# Altium PCB PCB1.PcbDoc (continued)
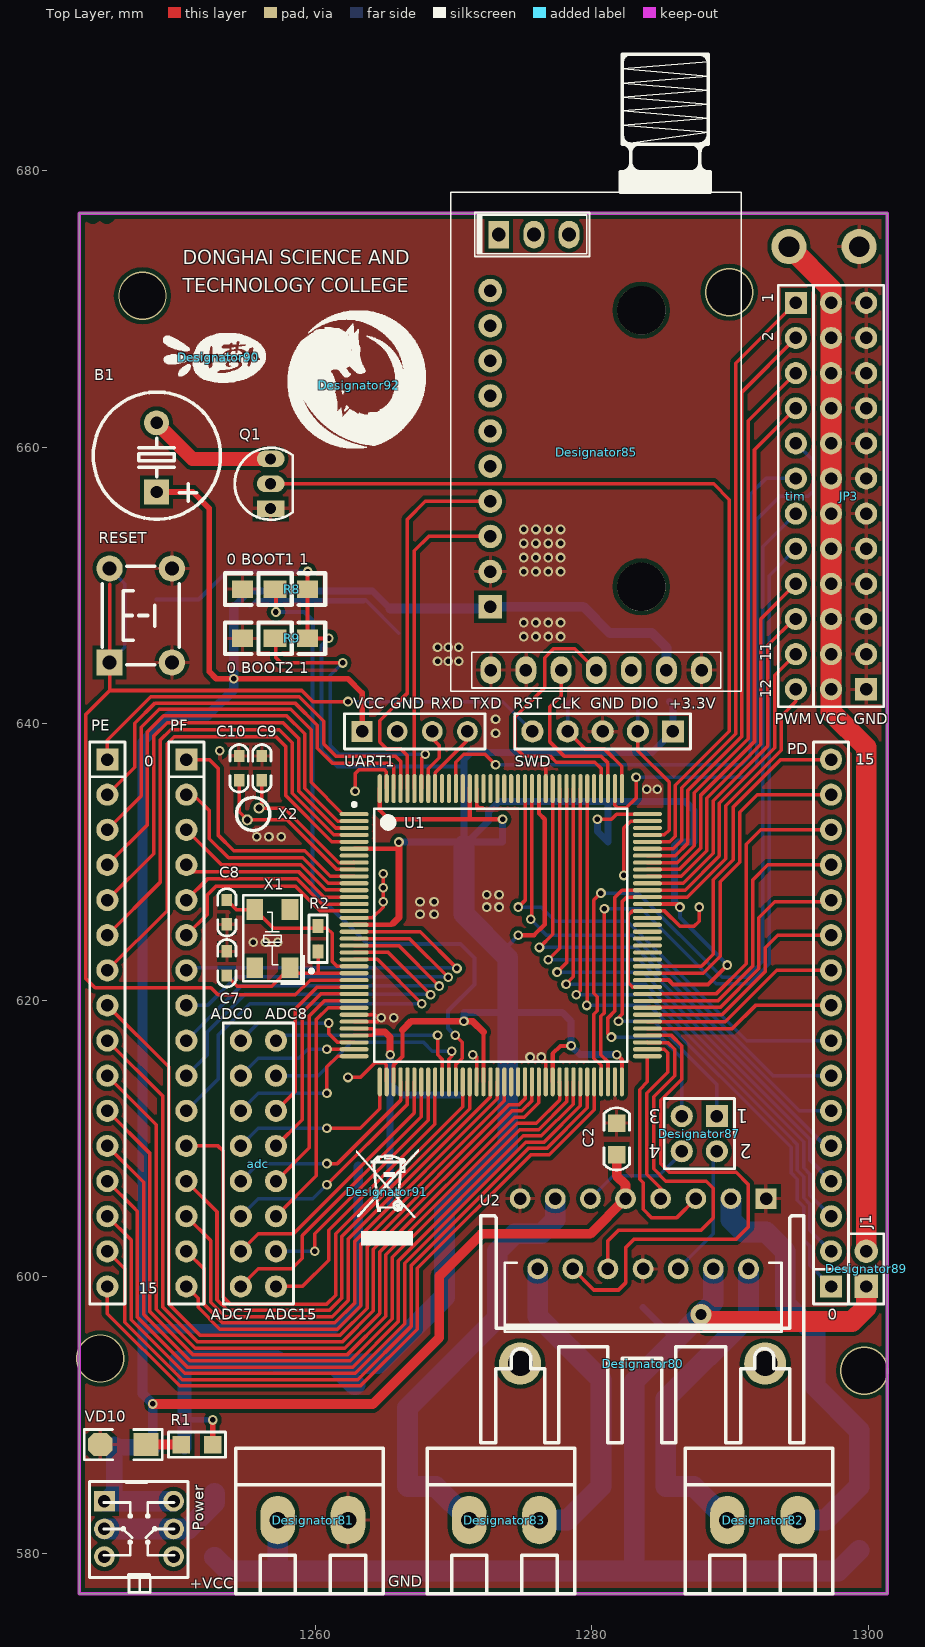
[diagram p0: Top Layer view]
## Nets (pads, with @x,y where several pads share a name; then routed paths per layer and width w, separated by ;. In a path a pad name is that pad's centre, name@x,y a point inside that pad or via, vN(x,y) a via of type N, cw(c..) or ccw(c..) an arc to the next point about the centre after c; other vN are vias at no path point) (continued)
  Bottom Layer w0.254: 1255.268,648.462 1255.627,648.821 ; 1263.501,648.821 1255.627,648.821 ; 1266.063,646.557 1263.65,648.97 1255.776,648.97 1255.627,648.821
  other v1: 1275.542,615.904 1276.35,615.904 1264.793,618.744 1265.682,618.744 1255.522,624.205 1256.411,624.205 1257.3,624.205 1267.587,626.237 1268.603,626.237 1272.413,626.745 1273.302,626.745 1267.587,627.126 1268.603,627.126 1272.413,627.634 1273.302,627.634 1255.776,631.825 1256.665,631.825 1257.554,631.825 1283.97,635.254 1284.732,635.254 1253.109,638.048 1273.048,639.318 1273.048,640.334 1268.857,644.525 1269.619,644.525 1270.381,644.525 1268.857,645.541 1269.619,645.541 1270.381,645.541 1275.08,646.303 1275.969,646.303 1276.858,646.303 1277.747,646.303 1275.08,647.319 1275.969,647.319 1276.858,647.319 1277.747,647.319 1275.08,651.002 1275.969,651.002 1276.858,651.002 1277.747,651.002 1275.08,652.018 1275.969,652.018 1276.858,652.018 1277.747,652.018 1275.08,653.034 1275.969,653.034 1276.858,653.034 1277.747,653.034 1275.08,654.05 1275.969,654.05 1276.858,654.05 1277.747,654.05
I2C1_SCL: MPU1.3 U1.139 | length 23.1
  Top Layer w0.254: U1.139 1267.179,652.499 1268.222,653.542 1270.381,653.542 MPU1.3
I2C1_SDA: MPU1.4 U1.140 | length 28.3
  Top Layer w0.254: U1.140 1266.679,637.686 1266.19,638.175 1265.174,638.175 1264.666,638.683 1264.666,640.207 1266.679,642.22 1266.679,654.793 1267.968,656.082 MPU1.4
NetB1_2: B1.2 Q1.3 | length 9.3
  Top Layer w1: B1.2 1251.142,659.152 Q1.3
Netboot_3: 
Netboot_4: 
NetC7_1: C7.1 R2.1 U1.24 X1.1 | length 12.2
  Top Layer w0.254: C7.1 1254.379,621.03 1256.868,621.03 X1.1 1258.577,621.963 1260.221,621.963 ; R2.1@1260.221,623.913 1260.221,621.963 ; U1.24 1260.221,621.963
NetC8_1: C8.1 R2.2 U1.23 X1.3 | length 12.4
  Top Layer w0.254: C8.1 1254.303,626.567 X1.3 1256.995,625.221 1260.856,625.221 1261.237,624.84 1261.237,622.808 1261.582,622.463 U1.23 U1.23@1262.806,622.486
NetC9_2: C9.2 U1.8 X2.1 | length 10.7
  Top Layer w0.254: C9.2 1256.157,634.111 X2.1 1257.765,633.9 1261.702,629.963 U1.8 ; U1.8@1262.806,629.963 U1.8 ; U1.8@1262.806,629.986 U1.8
NetC10_2: C10.2 U1.9 X2.2 | length 12.4
  Top Layer w0.254: C10.2 1254.506,633.643 X2.2 1257.971,633.052 1261.56,629.463 U1.9 ; U1.9@1262.806,629.463 U1.9 ; U1.9@1262.806,629.486 U1.9
NetJP4_2: U1.73 U2.5 | length 16.1
  Top Layer w0.254: U1.73 1284.029,614.104 1283.462,613.537 1283.462,607.06 1283.716,606.806 1283.716,604.901 1284.351,604.266 1286.129,604.266 U2.5
NetJP4_4: U1.74 U2.7 | length 13.2
  Top Layer w0.254: U1.74 1284.034,616.458 1285.24,616.458 1285.494,616.204 1285.494,614.807 1283.97,613.283 1283.97,607.441 1284.986,606.425 U2.7
NetJP4_6: U1.75 U2.10 | length 28.8
  Top Layer w0.254: U2.10 1281.176,602.615 1281.938,603.377 1287.907,603.377 1288.796,604.266 1288.796,606.425 1288.288,606.933 1285.367,606.933 1284.478,607.822 1284.478,613.029 1286.002,614.553 1286.002,616.458 1285.52,616.94 1284.052,616.94 U1.75
NetJP4_8: U1.76 U2.12 | length 38.7
  Top Layer w0.254: U2.12 1280.16,599.059 1281.938,599.059 1282.446,599.567 1282.446,602.107 1283.081,602.742 1290.447,602.742 1291.336,603.631 1291.336,606.679 1290.447,607.568 1285.621,607.568 1284.986,608.203 1284.986,612.775 1286.51,614.299 1286.51,616.726 1285.773,617.463 U1.76
NetLED1_1: R1.2 VD10.1 | length 2.5
  Top Layer w0.7: VD10.1 R1.2
Netmotor1_1: Designator82.1 U2.2 VD1.1 VD5.2 | length 23.7
  Bottom Layer w1.5: Designator82.1 1287.385,584.849 VD1.1 1285.353,584.863 VD5.2 1285.353,591.171 1291.336,597.154 U2.2
Netmotor1_2: Designator82.2 U2.3 VD2.1 VD6.2 | length 31.1
  Bottom Layer w1.5: U2.3 1290.066,604.139 1290.955,603.25 1292.606,603.25 1294.003,601.853 1294.003,598.043 1296.162,595.884 1296.162,592.074 1299.337,588.899 VD2.1 1296.91,582.422 Designator82.2
Netmotor2_1: Designator83.1 U2.13 VD3.1 VD7.2 | length 31.8
  Bottom Layer w1.5: Designator83.1 1268.716,584.849 VD3.1 1266.684,584.863 VD7.2 1266.684,590.536 1273.175,597.027 1273.175,601.853 1274.445,603.123 1276.35,603.123 1277.366,604.139 U2.13
Netmotor2_2: Designator83.2 U2.14 VD4.1 VD8.2 | length 23.1
  Bottom Layer w1.5: U2.14 1276.096,597.154 1280.668,592.582 VD4.1 1278.241,582.422 Designator83.2
PB12: 
PB13: 
PB14: 
PB15: 
PD0: PD.1 U1.114 | length 46
  Top Layer w0.254: v1(1279.652,619.633) 1279.679,619.66 U1.114
  Bottom Layer w0.254: v1(1279.652,619.633) 1284.175,619.633 1294.419,609.389 1294.419,607.519 1294.873,607.065 1294.873,605.541 1295.323,605.09 1295.323,602.692 1295.781,602.234 1295.781,600.837 PD.1
PD1: PD.2 U1.115 | length 44.2
  Top Layer w0.254: v1(1278.89,620.395) 1279.179,620.684 U1.115
  Bottom Layer w0.254: v1(1278.89,620.395) 1284.055,620.395 1294.238,610.212 1294.873,609.577 1294.873,607.707 1295.327,607.253 1295.327,605.729 1295.777,605.278 1295.777,603.381 PD.2
PD2: PD.3 U1.116 | length 42.5
  Top Layer w0.254: v1(1278.147,621.176) 1278.679,621.708 U1.116
  Bottom Layer w0.254: v1(1278.147,621.176) 1283.916,621.176 1295.327,609.765 1295.327,607.895 1295.781,607.441 1295.781,605.917 PD.3
PD3: PD.4 U1.117 | length 40.5
  Top Layer w0.254: v1(1277.493,622.046) 1278.179,622.732 U1.117
  Bottom Layer w0.254: v1(1277.493,622.046) 1283.688,622.046 1295.781,609.953 1295.781,608.457 PD.4
PD4: PD.5 U1.118 | length 38.4
  Top Layer w0.254: v1(1276.858,622.935) 1277.679,623.756 U1.118
  Bottom Layer w0.254: v1(1276.858,622.935) 1283.441,622.935 1296.903,609.473 PD.5@1296.924,609.473
PD5: PD.6 U1.119 | length 37.5
  Top Layer w0.254: v1(1276.223,623.824) 1277.179,624.78 U1.119
  Bottom Layer w0.254: v1(1276.223,623.824) 1283.194,623.824 1295.005,612.013 PD.6@1296.924,612.013
PD6: PD.7 U1.122 | length 35.5
  Top Layer w0.254: v1(1275.588,625.856) 1275.679,625.947 U1.122
  Bottom Layer w0.254: v1(1275.588,625.856) 1276.72,624.724 1282.936,624.724 1293.107,614.553 PD.7@1296.924,614.553
PD7: PD.8 U1.123 | length 35
  Top Layer w0.254: v1(1274.699,626.745) 1275.179,627.225 U1.123
  Bottom Layer w0.254: v1(1274.699,626.745) 1276.35,626.745 1277.366,625.729 1282.573,625.729 1291.209,617.093 PD.8@1296.924,617.093
PD8: PD.9 U1.77 | length 13.6
  Top Layer w0.254: U1.77 1290.174,617.963 1291.844,619.633 PD.9@1296.924,619.633
PD9: PD.10 U1.78 | length 14.4
  Top Layer w0.254: U1.78 1289.658,618.463 1293.368,622.173 PD.10@1296.924,622.173
PD10: PD.11 U1.79 | length 16.3
  Top Layer w0.254: U1.79 1289.417,618.963 1292.539,622.085 1292.539,623.792 1293.46,624.713 PD.11@1296.924,624.713
PD11: PD.12 U1.80 | length 18.3
  Top Layer w0.254: U1.80 1284.052,619.486 1289.298,619.486 1292.085,622.273 1292.085,625.97 1293.241,627.126 1296.797,627.126 PD.12@1296.924,627.253
PD12: PD.13 U1.81 | length 20.6
  Top Layer w0.254: U1.81@1284.052,619.986 U1.81 1289.133,619.963 1291.631,622.461 1291.631,628.691 1292.733,629.793 PD.13@1296.924,629.793
PD13: PD.14 U1.82 | length 22.9
  Top Layer w0.254: U1.82 1288.991,620.463 1291.177,622.649 1291.177,631.285 1292.225,632.333 PD.14@1296.924,632.333
PD14: PD.15 U1.85 | length 23.6
  Top Layer w0.254: U1.85@1284.052,621.986 U1.85 1288.078,621.963 1289.304,623.189 1289.304,628.587 1290.701,629.984 1290.701,633.603 1291.971,634.873 PD.15@1296.924,634.873
PD15: PD.16 U1.86 | length 24.5
  Top Layer w0.254: U1.86 1287.936,622.463 1288.796,623.323 1288.796,628.721 1290.247,630.172 1290.247,633.982 1293.678,637.413 PD.16@1296.924,637.413
PE0: PE.1 U1.141 | length 28.8
  Top Layer w0.254: PE.1 1244.981,638.81 1248.121,641.95 1258.859,641.95 1260.621,640.188 1260.621,638.537 1261.491,637.667 1265.809,637.667 1266.179,637.297 U1.141
PE1: PE.2 U1.142 | length 29.8
  Top Layer w0.254: PE.2 1246.975,636.867 1246.975,640.042 1248.429,641.496 1258.551,641.496 1260.167,639.88 1260.167,638.229 1261.237,637.159 1265.428,637.159 1265.682,636.905 1265.682,635.316 U1.142
PE2: PE.3 U1.1 | length 29.7
  Top Layer w0.254: PE.3 1247.429,634.781 1247.429,639.734 1248.737,641.042 1258.243,641.042 1259.713,639.572 1259.713,635.762 1262.012,633.463 U1.1
PE3: PE.4 U1.2 | length 32.1
  Top Layer w0.254: PE.4 1247.883,632.695 1247.883,639.426 1249.045,640.588 1251.585,640.588 ; 1251.987,640.588 1251.585,640.588 ; U1.2 1261.644,632.963 1259.259,635.348 1259.259,639.264 1257.935,640.588 1251.585,640.588
PE4: PE.5 U1.3 | length 33.5
  Top Layer w0.254: PE.5 1248.337,630.609 1248.337,639.118 1249.299,640.08 1257.681,640.08 1258.805,638.956 1258.805,635.16 1261.502,632.463 U1.3
PE5: PE.6 U1.4 | length 35.3
  Top Layer w0.254: PE.6 1248.791,628.523 1248.791,638.81 1249.553,639.572 1257.406,639.572 1258.351,638.627 1258.351,634.972 1261.36,631.963 U1.4
PE6: PE.7 U1.5 | length 37.1
  Top Layer w0.254: PE.7 1249.299,626.491 1249.299,638.556 1249.807,639.064 1257.173,639.064 1257.897,638.34 1257.897,634.784 1261.218,631.463 U1.5
PE7: PE.8 U1.58 | length 61.1
  Top Layer w0.254: PE.8 1249.426,615.188 1249.426,598.043 1251.696,595.773 1261.796,595.773 1263.761,597.738 1263.761,602.183 1274.048,612.47 1274.761,612.47 1275.179,612.888 U1.58 U1.58@1275.156,614.09
PE8: PE.9 U1.59 | length 59.9
  Top Layer w0.254: PE.9 1248.972,613.102 1248.972,597.855 1251.524,595.303 1261.968,595.303 1264.215,597.55 1264.215,601.995 1274.236,612.016 1274.949,612.016 1275.656,612.723 1275.656,614.09 U1.59
PE9: PE.10 U1.60 | length 62.1
  Top Layer w0.254: PE.10 1248.518,611.016 1248.518,597.667 1251.336,594.849 ; 1248.918,597.267 1251.336,594.849 ; U1.60 1276.179,612.604 1275.137,611.562 1274.424,611.562 1264.669,601.807 1264.669,597.362 1262.156,594.849 1251.336,594.849
PE10: PE.11 U1.63 | length 58.3
  Top Layer w0.254: PE.11 1248.064,608.93 1248.064,597.479 1251.148,594.395 1262.344,594.395 1265.123,597.174 1265.123,601.619 1274.612,611.108 1275.988,611.108 1277.679,612.799 U1.63 U1.63@1277.656,614.09
PE11: PE.12 U1.64 | length 57
  Top Layer w0.254: PE.12 1247.61,606.844 1247.61,597.291 1250.96,593.941 1262.532,593.941 1265.577,596.986 1265.577,601.431 1274.8,610.654 1276.176,610.654 1278.179,612.657 U1.64
PE12: PE.13 U1.65 | length 58.1
  Top Layer w0.254: PE.13 1246.89,605.024 ; 1245.743,606.171 1246.89,605.024 ; 1248.918,595.341 1249.392,594.866 ; U1.65 1278.656,614.09 1278.656,612.492 1276.364,610.2 1275.048,610.2 1266.031,601.183 1266.031,596.797 1262.721,593.487 1250.772,593.487 1249.392,594.866 ; 1246.89,605.024 1247.156,604.758 1247.156,597.103 1249.392,594.866
PE13: PE.14 U1.66 | length 56.9
  Top Layer w0.254: PE.14@1244.346,604.393 PE.14 1246.702,602.672 1246.702,596.915 1250.099,593.518 ; 1248.918,594.699 1250.099,593.518 ; U1.66 1279.179,612.373 1276.552,609.746 1275.236,609.746 1266.485,600.995 1266.485,596.609 1262.909,593.033 1250.584,593.033 1250.099,593.518
PE14: PE.15 U1.67 | length 54
  Top Layer w0.254: PE.15@1244.346,601.853 PE.15 1246.248,600.586 1246.248,596.727 1250.396,592.579 1263.097,592.579 1266.939,596.421 1266.939,600.807 1275.424,609.292 1276.74,609.292 1279.679,612.231 U1.67
PE15: PE.16 U1.68 | length 52.5
  Top Layer w0.254: PE.16@1244.346,599.313 1244.981,598.678 1244.981,597.352 1250.208,592.125 1263.285,592.125 1267.393,596.233 1267.393,600.619 1275.612,608.838 1276.929,608.838 1280.179,612.088 U1.68
PF0: PF.1 U1.10 | length 18.8
  Top Layer w0.254: PF.1 1252.347,637.413 1252.982,636.778 1252.982,631.952 1254.125,630.809 1257.681,630.809 ; 1257.3,630.809 1257.681,630.809 ; U1.10 1261.086,628.963 1259.24,630.809 1257.681,630.809
PF1: PF.2 U1.11 | length 16.5
  Top Layer w0.254: PF.2 1251.204,634.873 1252.347,633.73 1252.347,631.698 1253.744,630.301 1255.776,630.301 ; 1255.268,630.301 1255.776,630.301 ; U1.11 1260.944,628.463 1259.106,630.301 1255.776,630.301
PF2: PF.3 U1.12 | length 13.9
  Top Layer w0.254: PF.3 1253.236,629.793 1258.972,629.793 1260.779,627.986 1262.806,627.986 U1.12
PF3: PF.4 U1.13 | length 13.1
  Top Layer w0.254: PF.4 1251.204,629.285 1258.838,629.285 1260.66,627.463 U1.13
PF4: PF.5 U1.14 | length 13.5
  Top Layer w0.254: PF.5 1252.22,628.777 1258.704,628.777 1260.518,626.963 U1.14
PF5: PF.6 U1.15 | length 15.2
  Top Layer w0.254: PF.6 1252.22,626.237 1252.22,627.634 1252.836,628.25 1258.589,628.25 1260.376,626.463 U1.15
PF6: PF.7 U1.18 | length 28.2
  Top Layer w0.254: U1.18 1267.602,624.963 v1(1270.26,622.306)
  Bottom Layer w0.254: PF.7 1250.869,622.346 1270.219,622.346 v1(1270.26,622.306)
PF7: PF.8 U1.19 | length 27.8
  Top Layer w0.254: U1.19 1266.829,624.463 v1(1269.623,621.669)
  Bottom Layer w0.254: PF.8 1252.22,619.633 1254.297,621.71 1269.583,621.71 v1(1269.623,621.669)
PF8: PF.9 U1.20 | length 27.3
  Top Layer w0.254: U1.20 1266.057,623.963 v1(1268.987,621.033)
  Bottom Layer w0.254: PF.9 1254.676,621.073 1255.014,621.073 1268.946,621.073 v1(1268.987,621.033)
PF9: PF.10 U1.21 | length 27.9
  Top Layer w0.254: U1.21 1265.284,623.463 v1(1268.35,620.396)
  Bottom Layer w0.254: PF.10 1252.22,616.077 1252.22,617.728 1254.929,620.437 1268.31,620.437 v1(1268.35,620.396)
PF10: PF.11 U1.22 | length 28.3
  Top Layer w0.254: U1.22 1264.511,622.963 v1(1267.714,619.76)
  Bottom Layer w0.254: PF.11 1252.982,614.299 1252.982,617.474 1255.268,619.76 v1(1267.714,619.76)
PF11: PF.12 U1.49 | length 41.2
  Top Layer w0.254: PF.12 1252.982,609.473 1253.363,609.092 1253.363,598.551 1253.871,598.043 1260.856,598.043 1261.491,598.678 1261.491,603.123 1270.679,612.311 U1.49
PF12: PF.13 U1.50 | length 38.7
  Top Layer w0.254: PF.13 1252.909,604.72 1252.909,598.363 1253.683,597.589 1261.044,597.589 1261.945,598.49 1261.945,602.935 1271.179,612.169 U1.50
PF13: PF.14 U1.53 | length 37.9
  Top Layer w0.254: PF.14 1252.455,602.634 1252.455,598.175 1253.495,597.135 1261.232,597.135 1262.399,598.302 1262.399,602.747 1272.679,613.027 U1.53
PF14: PF.15 U1.54 | length 36.7
  Top Layer w0.254: PF.15 1252.001,600.548 1252.001,597.987 1253.307,596.681 1261.42,596.681 1262.853,598.114 1262.853,602.559 1273.179,612.885 U1.54
PF15: PF.16 U1.55 | length 35.5
  Top Layer w0.254: PF.16 1251.547,598.462 1251.547,597.799 1253.119,596.227 1261.608,596.227 1263.307,597.926 1263.307,602.371 1273.679,612.743 U1.55
PG0: U1.56
PG1: U1.57
PG2: U1.87
PG3: U1.88
PG4: U1.89
PG5: U1.90
PG6: U1.91
PG7: U1.92
PG8: U1.93
PG9: U1.124
PG10: U1.125
PG11: U1.126
PG12: U1.127
PG13: U1.128
PG14: U1.129
PG15: U1.132
RESET: C24.1 R3.1 RESET.1 RESET.4 SWD.5 U1.25 | length 89.1
  Top Layer w0.254: 1245.144,650.084 RESET.1 1245.144,642.404 ; v1(1262.38,641.604) 1259.847,641.604 1259.047,642.404 1245.144,642.404 ; U1.25 1259.638,621.463 1258.57,620.395 1252.982,620.395 1252.474,620.903 1244.092,620.903 1243.403,621.592 1243.403,640.663 1245.144,642.404
  Bottom Layer w0.254: RESET.1 1246.251,645.534 C24.1 R3.1 1246.251,650.12 RESET.4 ; v1(1262.38,641.604) 1273.556,641.604 SWD.5
TIM1_CH1: tim.4 U1.100 | length 39.1
  Top Layer w0.254: U1.100 1286.328,629.463 1287.869,631.004 1287.869,634.814 1291.771,638.716 1291.771,659.819 tim.4
TIM1_CH2: tim.3 U1.101 | length 41.1
  Top Layer w0.254: U1.101 1286.186,629.963 1287.415,631.192 1287.415,635.002 1291.317,638.904 1291.317,661.905 tim.3
TIM1_CH3: tim.2 U1.102 | length 43.1
  Top Layer w0.254: U1.102 1286.044,630.463 1286.961,631.38 1286.961,635.19 1290.863,639.092 1290.863,663.991 tim.2
TIM1_CH4: tim.1 U1.103 | length 45
  Top Layer w0.254: U1.103 1285.902,630.963 1286.507,631.568 1286.507,635.378 1290.409,639.28 1290.409,666.077 tim.1
TIM2_CH1: tim.5 U1.110 | length 40.7
  Top Layer w0.254: U1.110 1281.679,634.116 1281.878,633.917 1282.506,633.917 1283.208,634.619 v1(1283.208,636.143) v1@1283.081,636.143
  Bottom Layer w0.254: v1@1283.335,636.27 v1(1283.208,636.143) 1291.082,636.143 1291.917,636.978 1291.917,654.758 1293.622,656.463 1295.654,656.463 1296.035,656.844 1296.035,659.003 tim.5
TIM2_CH2: tim.6 U1.133 | length 47
  Top Layer w0.254: U1.133 1270.179,637.211 1270.762,637.794 1272.286,637.794 v1(1273.048,637.032)
  Bottom Layer w0.254: v1@1272.794,637.032 v1(1273.048,637.032) 1290.828,637.032 1291.463,637.667 1291.463,656.59 1292.606,657.733 tim.6
TIM2_CH3: tim.7 U1.69 | length 62.7
  Top Layer w0.254: 1280.414,627.507 v1(1280.668,627.761) 1280.16,627.253 1280.16,620.522 1280.414,620.268 1280.414,619.252 1280.16,618.998 1280.16,615.823 1280.679,615.304 U1.69
  Bottom Layer w0.254: v1(1280.668,627.761) 1283.335,627.761 1289.431,621.665 1291.209,621.665 1292.371,622.827 1292.371,652.799 tim.7
TIM2_CH4: tim.8 U1.70 | length 58.6
  Top Layer w0.254: v1@1280.795,626.491 v1@1280.922,626.364 ; v1(1280.922,626.618) v1@1280.922,626.364 ; U1.70 1281.179,615.566 1280.668,616.077 1280.668,618.864 1280.922,619.118 v1@1280.922,626.364
  Bottom Layer w0.254: v1(1280.922,626.618) 1283.589,626.618 1288.996,621.211 1291.397,621.211 1292.825,622.639 1292.825,650.713 tim.8
TIM3_CH1: Designator87.1 Designator87.2 tim.12 U1.96 U2.6 | length 52.6
  Top Layer w0.254: v1@1281.938,618.744 1282.192,618.998 1282.192,627.126 1282.506,627.44 1284.006,627.44 U1.96 1286.896,627.463 1289.685,630.252 1289.685,634.062 1293.695,638.072 1293.695,640.541 1294.765,641.611 tim.12
  Bottom Layer w0.254: v1(1281.938,618.49) 1284.478,618.49 1289.05,613.918 Designator87.1 ; U2.6 1288.796,603.123 1288.796,608.838 Designator87.2
TIM3_CH2: Designator87.3 Designator87.4 tim.11 U1.97 U2.11 | length 54.3
  Top Layer w0.254: 1281.176,617.855 1281.176,618.363 ; v1(1281.43,617.347) 1281.176,617.601 1281.176,618.363 ; tim.11 1293.241,643.509 1293.241,638.26 1289.231,634.25 1289.231,630.44 1286.754,627.963 U1.97 1282.192,627.963 1281.684,627.455 1281.684,619.238 1281.176,618.73 1281.176,618.363
  Bottom Layer w0.254: U2.11 1281.557,607.314 1284.859,607.314 1286.51,608.965 Designator87.4 ; v1@1281.684,617.347 1284.979,617.347 1286.51,615.816 Designator87.3
TIM3_CH3: tim.10 U1.98 | length 25.1
  Top Layer w0.254: U1.98 1286.612,628.463 1288.777,630.628 1288.777,634.438 1292.733,638.394 1292.733,645.668 1294.638,647.573 tim.10
TIM3_CH4: tim.9 U1.99 | length 27
  Top Layer w0.254: U1.99 1286.47,628.963 1288.323,630.816 1288.323,634.626 1292.225,638.528 1292.225,647.573 tim.9
USART1_RX: U1.137 UART1.3 | length 4.7
  Top Layer w0.254: U1.137 1268.179,636.735 1268.984,637.54 1268.984,638.429 1268.476,638.937 UART1.3
USART1_TX: U1.136 UART1.4 | length 5.1
  Top Layer w0.254: U1.136 1268.679,636.473 1271.016,638.81 UART1.4
USART3_RX: Designator85.4 U1.112 | length 20.3
  Top Layer w0.254: Designator85.4 1278.788,645.414 1277.239,645.414 1276.604,644.779 1276.604,642.62 1274.445,640.461 1274.445,638.302 1275.08,637.667 1276.985,637.667 1277.439,637.213 1280.233,637.213 1280.679,636.767 U1.112
USART3_TX: Designator85.5 U1.111 | length 12.2
  Top Layer w0.254: Designator85.5 1277.786,642.024 1276.985,641.223 1276.985,638.683 1278.001,637.667 1280.668,637.667 1281.176,637.159 1281.176,635.316 U1.111
VBAT: C11.1 Designator81.1 Designator89.1 Designator89.2 JP3.2 JP3.4 JP3.6 JP3.8 JP3.10 JP3.12 JP3.14 JP3.16 JP3.18 JP3.20 JP3.22 JP3.24 pad.0@1294.257,674.497 Power.2 Power.5 U2.4 VD1.2 VD2.2 VD3.2 VD4.2 VD9.1 VD9.2 | length 177.3
  Top Layer w1.5: v3(1287.907,597.281) 1288.415,596.773 1298.829,596.773 1299.845,597.789 Designator89.1 ; pad.0@1294.257,674.497 1297.305,671.449 JP3.24 JP3.22 JP3.20 JP3.18 JP3.16 JP3.14 JP3.12 JP3.10 JP3.8 JP3.6 JP3.4 JP3.2 1297.305,640.842 1299.845,638.302 Designator89.2
  Bottom Layer w0.5: C11.1 1285.944,595.561 1285.944,595.318
  Bottom Layer w1.5: Power.2 Power.5 1250.823,581.787 1252.728,583.692 VD9.2 ; VD9.1 1253.73,578.739 1283.081,578.739 ; 1257.3,578.866 Designator81.1 ; U2.4 1288.796,598.17 v3(1287.907,597.281) 1285.944,595.318 1283.081,592.455 1283.081,578.739 ; VD2.2 1297.827,578.739 1283.081,578.739
VCC3.3: C1.1 C3.1 C12.1 C13.1 C14.1 C15.1 C16.1 C17.1 R1.1 R3.2 R7.2 R8.1 R9.1 SWD.1 U1.6 U1.17 U1.39 U1.52 U1.62 U1.72 U1.84 U1.95 U1.108 U1.121 U1.131 U1.144 VR1.2 | length 263.2
  Top Layer w0.254: v1(1280.414,633.095) 1281.43,633.095 1281.798,633.463 U1.108
  Top Layer w0.3: v1(1259.459,651.002) R8.1 R9.1 1259.461,646.176 v1(1260.983,646.176) ; U1.17 1265.543,625.463 1265.682,625.602 ; U1.6 1266.036,630.963 1266.063,630.936 ; U1.144 1264.679,633.717 1265.301,633.095 v1(1273.556,633.095) ; U1.39 1265.679,615.312 1266.317,615.95 1266.317,617.855 ; 1271.179,633.186 U1.131 ; U1.52 1272.179,617.708 ; v1(1274.699,624.713) 1275.842,624.713 1276.604,625.475 1276.604,633.095 1276.179,633.52 U1.121 ; U1.62 1277.179,616.144 1277.747,616.712 v1(1278.509,616.712) ; v1(1281.811,616.077) 1282.179,615.709 U1.72 ; U1.84 1285.569,621.463 1285.875,621.157 1288.415,621.157 ; U1.95 1286.165,626.963 v1(1286.383,626.745) ; 1288.542,621.284 1288.415,621.157 ; v1(1289.812,622.554) 1288.415,621.157
  Top Layer w0.4: R1.1 v1(1252.601,589.661)
  Top Layer w0.5: 1265.682,625.602 1266.063,625.983 1266.063,630.936 v1(1266.063,631.444) ; 1266.317,617.855 1266.952,618.49 v1(1270.762,618.49) 1271.397,618.49 1272.179,617.708
  Bottom Layer w0.3: R3.2 1251.587,648.972 1253.617,651.002 v1(1259.459,651.002) ; v1(1260.983,646.176) 1260.475,645.668 1260.475,638.048 1261.618,636.905 1270.635,636.905 ; 1270.762,631.19 1270.762,631.444 ; 1273.937,623.062 1273.937,623.951 v1(1274.699,624.713) ; v1(1286.383,626.745) 1286.383,625.983 v1(1289.812,622.554)
  Bottom Layer w0.4: 1250.569,589.788 1250.696,589.661 v1(1252.601,589.661)
  Bottom Layer w0.5: v1(1266.063,631.444) C13.1 1270.762,631.444 ; v1(1270.762,618.49) 1270.762,619.125 C16.1 1273.937,619.125 1274.064,619.125 ; 1270.762,631.19 1270.889,631.317 ; v1(1273.556,633.095) C12.1 1271.016,631.444 ; 1273.937,619.252 1274.064,619.125 ; v1(1280.414,633.095) 1280.414,632.206 C14.1 1281.176,634.365 ; v1(1281.811,616.077) 1279.144,616.077 v1(1278.509,616.712) 1278.509,618.49 1277.874,619.125 C15.1 1274.064,619.125 ; R7.2 1285.875,641.35 SWD.1 1284.351,637.921 1271.27,637.921 1270.762,637.413 1270.762,631.444 ; v1(1286.383,626.745) 1286.002,627.126 1286.002,631.19 1286.256,631.444 C17.1 1287.399,633.73 1286.764,634.365 1281.176,634.365 ; 1270.762,631.444 1270.889,631.317 ; 1270.889,631.317 1271.016,631.444 ; 1271.016,631.444 1272.54,632.968 1272.54,633.603 1273.302,634.365 1281.176,634.365
  Bottom Layer w1: VR1.2@1250.569,587.677 1250.569,589.788 VR1.2@1250.569,593.677
  Bottom Layer w1.5: VR1.2@1250.188,593.931 1257.221,593.931 1257.427,593.725 C1.1 1261.366,593.725 ; C3.1 1261.366,593.725 ; 1270.762,631.19 1270.762,626.237 1273.937,623.062 1273.937,619.252 1273.937,619.125 1273.937,609.473 1269.365,604.901 1269.365,598.551 1264.539,593.725 1261.366,593.725
VCC5: B1.1 C2.1 C5.1 Designator85.2 MPU1.1 Power.1 Power.6 U2.9 UART1.1 VR1.3 VR2.3 | length 216.2
  Top Layer w0.4: B1.1 1251.164,656.757 1252.347,655.574 1252.347,643.763 1252.855,643.255 v1(1254.125,643.255) 1262.38,643.255 1263.396,642.239 UART1.1
  Top Layer w0.7: v1(1248.269,590.818) 1264.172,590.818 1268.984,595.63 1268.984,600.075 1272.032,603.123 1279.906,603.123 U2.9 1282.446,606.679 1281.811,607.314 C2.1
  Bottom Layer w0.5: 1254.125,648.462 1255.268,649.605 1264.158,649.605 1265.428,648.335
  Bottom Layer w0.7: 1247.521,596.265 1261.364,596.265 1263.128,598.029 VR2.3@1263.128,607.997 ; VR1.3 v1(1248.269,590.818) 1247.521,591.566 1247.521,638.683 1249.426,640.588 1252.22,640.588 1254.125,642.493 v1(1254.125,643.255) 1254.125,648.462 ; 1265.428,648.335 1272.54,648.335 MPU1.1 1279.398,648.462 1281.303,646.557 1284.351,646.557 1285.406,645.502 Designator85.2
  Bottom Layer w1.2: Power.1 1245.487,584.507 C5.1 1245.693,587.677 VR1.3
  Bottom Layer w1.5: Power.1 Power.6
VREF+: C4.1 C6.1 U1.32 U1.33 VR2.2 | length 22
  Top Layer w0.254: U1.33 1264.147,617.463 1264.412,617.728 1264.177,617.963 U1.32
  Top Layer w0.5: 1264.412,617.728 1265.047,617.728 1265.428,617.347 v1(1265.428,616.077)
  Bottom Layer w0.5: C4.1 1265.428,609.013 1265.428,615.013 v1(1265.428,616.077) ; VR2.2@1265.428,613.997 1266.269,613.156 C6.1
pads on no net: Designator80.0 Designator85.3 Designator85.a MPU1.5 MPU1.6 MPU1.7 MPU1.8 MPU1.9 MPU1.10 Power.3 Power.4 U1.7 U1.106 U1.113 U1.134 U1.135 X1.2 X1.4
copper on no net:
  other v2: 1299.718,593.217 1244.473,594.106 1247.521,670.941 1289.939,671.195

## Polygon pours and split planes (outlines as drawn)
GND on Top Layer "Top Layer-No Net" (solid, remove dead copper, pour order 0): 1242.949,676.91 1301.369,676.91 1301.369,577.088 1242.949,577.088 1242.949,676.91
GND on Bottom Layer "Top Layer-No Net" (solid, remove dead copper, pour order 2): 1242.949,676.91 1301.369,676.91 1301.369,577.088 1242.949,577.088 1242.949,676.91

## Keep-outs
Keep-Out Layer:
  the board outline again, w0.254

## Silkscreen, mask and mechanical layers (free items; w line width, h text height)
Top Overlay:
  text "DONGHAI SCIENCE AND" at 1250.442,673.227 h1
  text "TECHNOLOGY COLLEGE" at 1250.442,671.195 h1
  text "1" at 1293.114,670.433 h0.8 r90
  text "2" at 1293.114,667.639 h0.8 r90
  text "11" at 1292.987,644.525 h0.8 r90
  text "12" at 1292.987,641.858 h0.8 r90
  text "VCC" at 1262.761,641.096 h0.8
  text "GND" at 1265.428,641.096 h0.8
  text "RXD" at 1268.349,641.096 h0.8
  text "TXD" at 1271.27,641.096 h0.8
  text "RST" at 1274.318,641.096 h0.8
  text "CLK" at 1277.112,641.096 h0.8
  text "GND" at 1279.906,641.096 h0.8
  text "DIO" at 1282.827,641.096 h0.8
  text "+3.3V" at 1285.621,641.096 h0.8
  text "PWM" at 1293.241,639.953 h0.8
  text "VCC" at 1296.162,639.953 h0.8
  text "GND" at 1298.956,639.953 h0.8
  text "15" at 1299.083,637.032 h0.8
  text "0" at 1247.648,636.905 h0.8
  text "J1" at 1300.226,603.504 h0.8 r90
  text "15" at 1247.267,598.805 h0.8
  text "0" at 1297.051,596.9 h0.8
  text "GND" at 1265.301,577.596 h0.8
  text "+VCC" at 1250.95,577.469 h0.8
Bottom Overlay:
  lines w0.254: 1271.087,646.896 1271.087,672.896 1286.587,672.896 1286.587,646.896 1271.087,646.896
  text "+VCC" at 1258.697,578.231 h0.8
  text "GND" at 1263.396,578.231 h0.8

## Dimensions
1242.949,577.088 to 1301.369,577.088 on Top Overlay
1301.369,676.91 to 1301.369,577.088 on Top Overlay

## Text inside footprints (layer, text, board x,y; h text height)
adc: Top Overlay "ADC7" at 1252.474,596.9 h0.8; Top Overlay "ADC15" at 1256.411,596.9 h0.8; Top Overlay "ADC0" at 1252.474,618.617 h0.8; Top Overlay "ADC8" at 1256.411,618.617 h0.8
Designator87: Top Overlay "3" at 1284.986,612.14 h1.02 r180; Top Overlay "4" at 1284.986,609.6 h1.02 r180; Top Overlay "2" at 1291.59,609.6 h1.02 r180; Top Overlay "1" at 1291.336,612.14 h1.02 r180